# Altium PCB PCB1.PcbDoc
Units mm, origin at the board's own origin, x right, y up, seen from the top; angles counter-clockwise.
Board outline 110 x 110 mm, 2 copper layers (Top Layer, Bottom Layer); 82 components, 57 nets, 293 pads, 0 vias.
Unrouted connection lines stored in the file: 4.
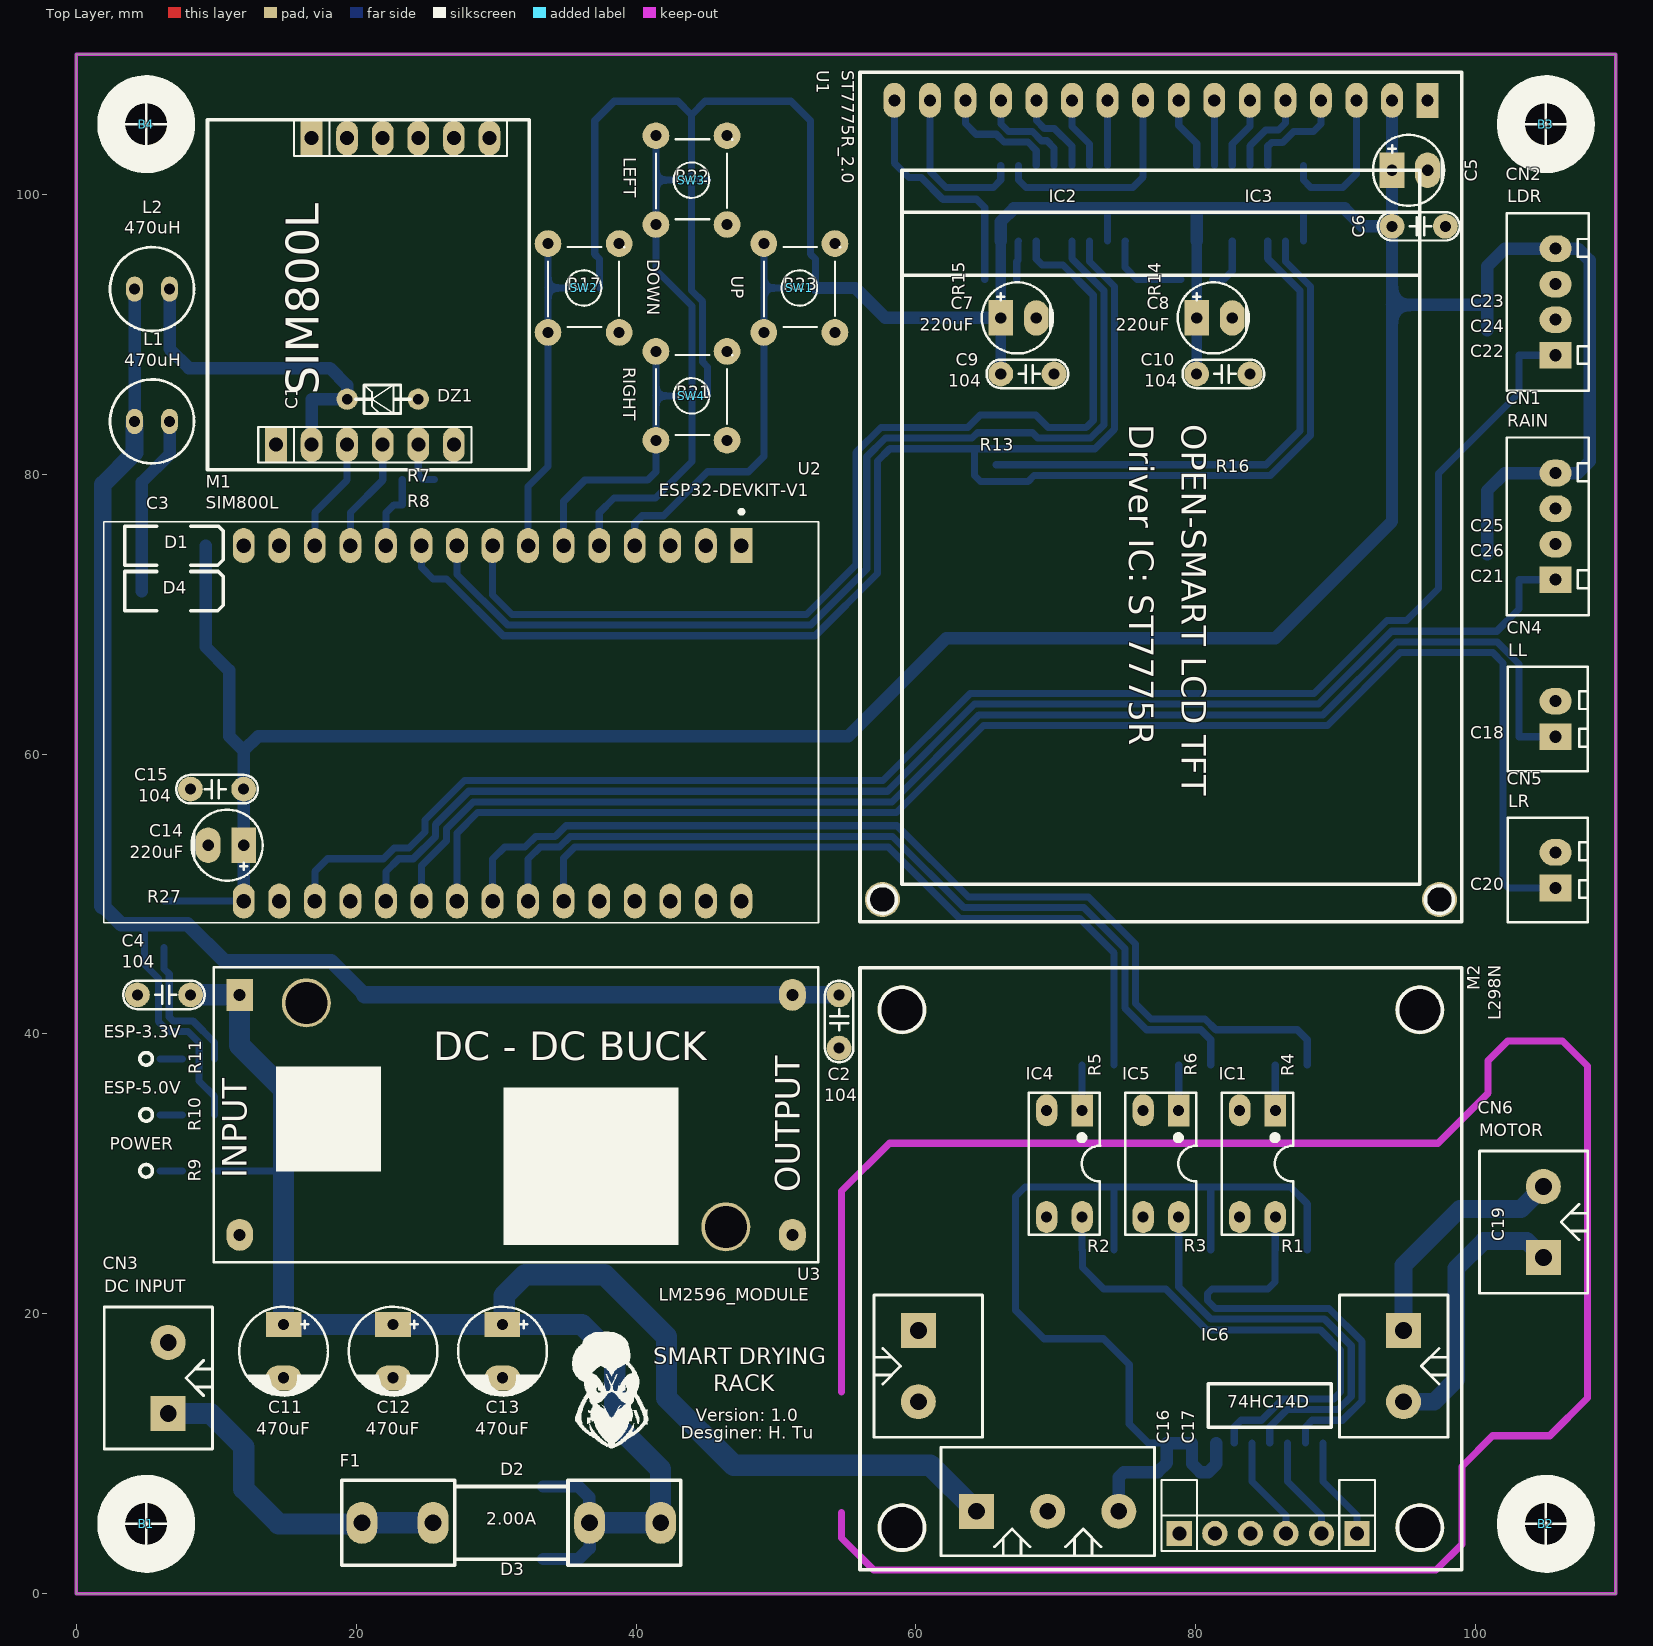
[diagram p0: Top Layer view]
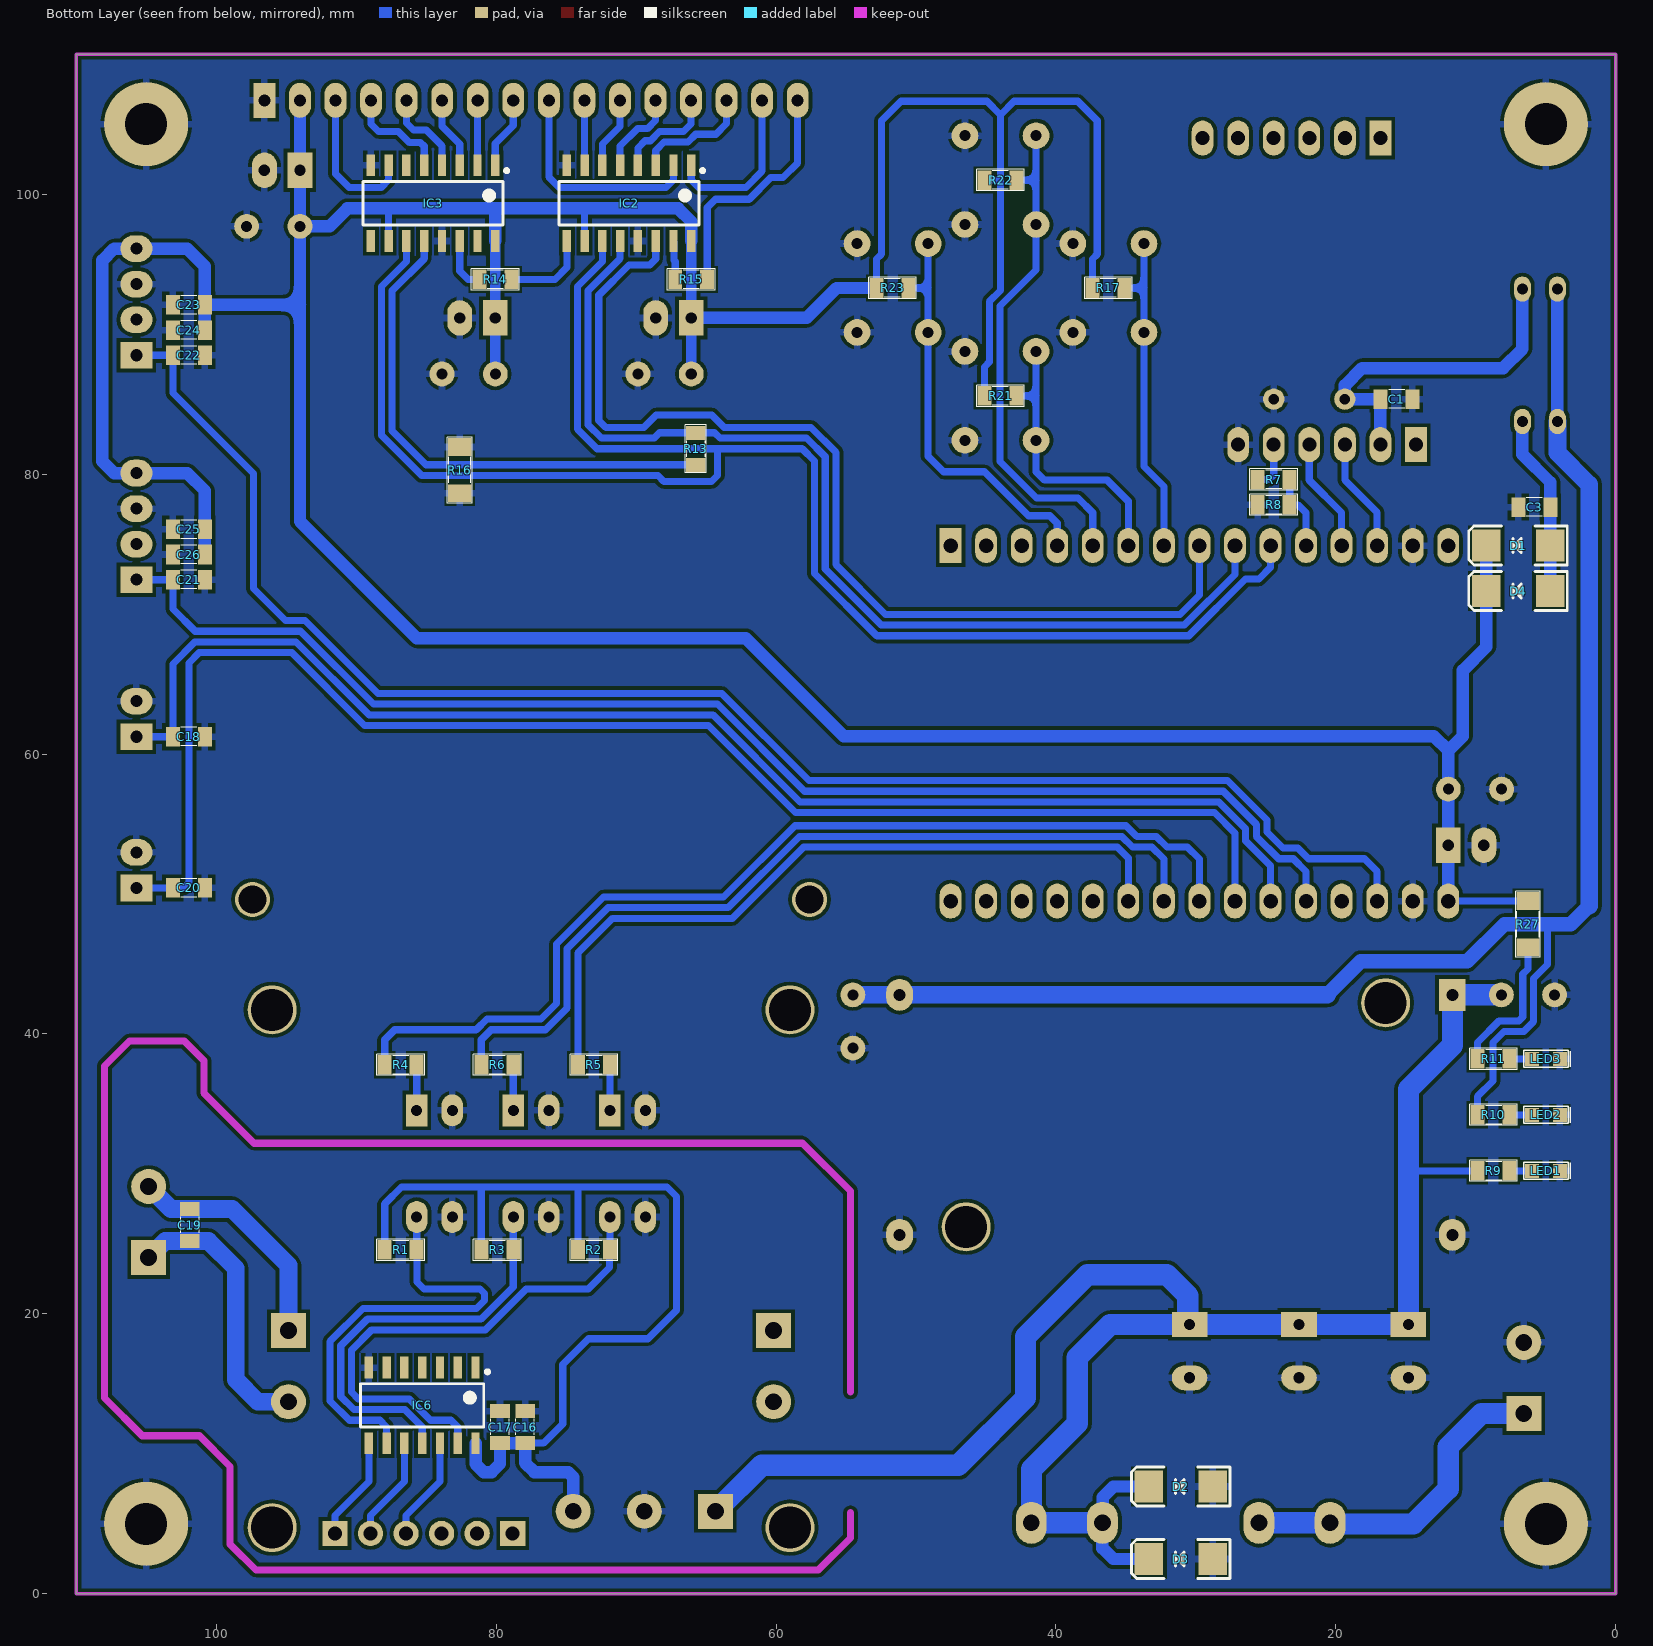
[diagram p1: Bottom Layer view, seen from below]

## Layer stack, top to bottom
Top Solder: solder mask 0.0102, Solder Resist, Dk 3.5
Top Layer: signal copper 0.0356
Dielectric 1: dielectric 0.32, FR-4, Dk 4.8
Bottom Layer: signal copper 0.0356
Bottom Solder: solder mask 0.0102, Solder Resist, Dk 3.5

## Board outline
0,0 0,110 110,110 110,0

## Design rules (kind name [scope] priority, off if disabled: settings)
Clearance [All] p1: gap=0.254 ignorepadtopadclearanceinfootprint=FALSE except(0: Arc-Hole Track-Hole SMDPad-Hole THPad-Hole Via-Hole Fill-Hole Poly-Hole Region-Hole Text-Hole)
PolygonConnect [All] p1: connectstyle=Relief reliefconductorwidth=0.508 reliefentries=4 polygonreliefangle="90 Angle" airgapwidth=0.254
RoutingVias [All] p1: holewidth=0.711 width=1.27 viastyle="Through Hole" minholewidth=0.711 minwidth=1.27 maxholewidth=0.711 maxwidth=1.27
SolderMaskExpansion [All] p1: expansion=0.102
Width [All] p1: maxlimit=1.524 minlimit=0.508 preferedwidth=0.889 toplayer_prefwidth=0.254 minimp=50.000000 maximp=50.000000 favimp=50.000000
30 further rules are at their usual default settings.

## Components (designator, comment, footprint, x,y, rotation, side; value= is the part's Value field where it differs from the comment)
B1 "Plated Hole" MTG300_600 5,5 r0 top
B2 "Plated Hole" MTG300_600 105,5 r0 top
B3 "Plated Hole" MTG300_600 105,105 r0 top
B4 "Plated Hole" MTG300_600 5,105 r0 top
C1 "106" CAP-SMD-0805 15.676,85.355 r0 bottom
C2 "104" Cap-Non-150mil 54.509,42.794 r270 top
C3 "106" CAP-SMD-0805 5.825,77.642 r180 bottom
C4 "104" Cap-Non-150mil 8.178,42.794 r180 top
C5 "220uF" Cap-P-2.5/5 94.012,101.706 r0 top
C6 "104" Cap-Non-150mil 97.822,97.706 r180 top
C7 "220uF" Cap-P-2.5/5 66.057,91.156 r0 top
C8 "220uF" Cap-P-2.5/5 80.057,91.156 r0 top
C9 "104" Cap-Non-150mil 69.867,87.156 r180 top
C10 "104" Cap-Non-150mil 83.867,87.156 r180 top
C11 "470uF" Cap-P-3.8/6.3 14.815,19.241 r270 top
C12 "470uF" Cap-P-3.8/6.3 22.635,19.241 r270 top
C13 "470uF" Cap-P-3.8/6.3 30.455,19.241 r270 top
C14 "220uF" Cap-P-2.5/5 11.968,53.492 r180 top
C15 "104" Cap-Non-150mil 8.158,57.492 r0 top
C16 "106" CAP-SMD-0805 77.919,11.905 r270 bottom
C17 "104" CAP-SMD-0805 79.719,11.905 r270 bottom
C18 "104" CAP-SMD-0805 101.951,61.235 r180 bottom
C19 "104" CAP-SMD-0805 101.878,26.349 r270 bottom
C20 "104" CAP-SMD-0805 101.951,50.431 r180 bottom
C21 "104" CAP-SMD-0805 101.951,72.455 r180 bottom
C22 "104" CAP-SMD-0805 101.951,88.491 r180 bottom
C23 "106" CAP-SMD-0805 101.951,92.091 r180 bottom
C24 "104" CAP-SMD-0805 101.951,90.291 r180 bottom
C25 "106" CAP-SMD-0805 101.951,76.055 r180 bottom
C26 "104" CAP-SMD-0805 101.951,74.255 r180 bottom
CN1 "RAIN" "Header 4P" 105.701,76.265 r90 top
CN2 "LDR" "Header 4P" 105.701,92.301 r90 top
CN3 "DC INPUT" KF2/5.08 6.57,15.42 r90 top
CN4 "LL" "Header 2P" 105.701,62.505 r90 top
CN5 "LR" "Header 2P" 105.701,51.701 r90 top
CN6 "MOTOR" KF2/5.08 104.827,26.56 r90 top
D1 "SS14" "SOD 106" 6.968,74.892 r180 bottom
D2 "SS14" "SOD 106" 31.075,7.664 r180 bottom
D3 "SS14" "SOD 106" 31.075,2.483 r180 bottom
D4 "SS14" "SOD 106" 6.968,71.642 r180 bottom
DZ1 "5.1V" Diode-Zenner-200mil 21.899,85.355 r0 top value=3v3
F1 "2.00A" Fuse-Dip1 31.1,5.073 r0 top
IC1 "FOD817DSD" DIP4 84.4,30.734 r180 top
IC2 "SN74HC595D" SOIC127P600X175-16N 70.502,99.356 r270 bottom
IC3 "SN74HC595D" SOIC127P600X175-16N 84.502,99.356 r270 bottom
IC4 "FOD817DSD" DIP4 70.604,30.734 r180 top
IC5 "FOD817DSD" DIP4 77.502,30.734 r180 top
IC6 "74HC14D" SOIC127P600X175-14N 85.279,13.462 r270 bottom
L1 "470uH" L-DIP-M-5.3 5.42,83.761 r0 top value="150 mH"
L2 "470uH" L-DIP-M-5.3 5.42,93.218 r0 top value="150 mH"
LED1 "POWER" LED-0805 4.994,30.221 r180 bottom
LED2 "ESP-5.0V" LED-0805 4.994,34.221 r180 bottom
LED3 "ESP-3.3V" LED-0805 4.994,38.221 r180 bottom
M1 "SIM800L" SIM800L_M 32.379,80.305 r90 top
M2 "L298N" L298N_MODULE 99.002,1.724 r90 top
R1 "1K" RES-SMD-0805 86.813,24.574 r0 bottom
R2 "1K" RES-SMD-0805 73.017,24.574 r0 bottom
R3 "1K" RES-SMD-0805 79.915,24.574 r0 bottom
R4 "1K" RES-SMD-0805 86.813,37.794 r0 bottom
R5 "1K" RES-SMD-0805 73.017,37.794 r0 bottom
R6 "1K" RES-SMD-0805 79.915,37.794 r0 bottom
R7 "1K" RES-SMD-0805 24.439,79.605 r0 bottom
R8 "1K" RES-SMD-0805 24.439,77.805 r180 bottom
R9 "1K" RES-SMD-0805 8.744,30.221 r0 bottom
R10 "1K" RES-SMD-0805 8.744,34.221 r0 bottom
R11 "1K" RES-SMD-0805 8.744,38.221 r0 bottom
R13 "0R" RES-SMD-0805 65.734,81.809 r90 bottom
R14 "0R" RES-SMD-0805 80.057,93.906 r180 bottom
R15 "0R" RES-SMD-0805 66.057,93.906 r180 bottom
R16 "0R" RES-SMD-1206 82.597,80.285 r270 bottom
R17 "1K" RES-SMD-0805 36.251,93.297 r180 bottom
R21 "1K" RES-SMD-0805 43.96,85.587 r180 bottom
R22 "1K" RES-SMD-0805 43.96,101.006 r180 bottom
R23 "1K" RES-SMD-0805 51.67,93.297 r180 bottom
R27 "0R" RES-SMD-1206 6.273,47.841 r90 bottom
SW1 "UP" Button-Dip4/6x6 51.67,93.297 r90 top value="Button chip 4 pin"
SW2 "DOWN" Button-Dip4/6x6 36.251,93.297 r90 top value="Button chip 4 pin"
SW3 "LEFT" Button-Dip4/6x6 43.96,101.006 r90 top value="Button chip 4 pin"
SW4 "RIGHT" Button-Dip4/6x6 43.96,85.587 r90 top value="Button chip 4 pin"
U1 "ST7775R_2.0" LCD_176X220_MODULE 96.002,101.706 r180 top
U2 "ESP32-DEVKIT-V1" MODULE_ESP32-DEVKITC-32D 27.768,62.192 r270 top
U3 "LM2596_MODULE" LM2596_MODULE 9.836,44.762 r0 top

## Footprints (in the part's own frame and the unit in brackets; to place one, negate y for a bottom-side part, rotate by r counter-clockwise, add the part's x,y. Pads: shape width x height; smd on the part's side, far side on the other; paste and mask are expansions set on the pad)
Button-Dip4/6x6 [mil] "SW button 4pin, 250 x250 mil"
  round 75 hole 31: 1(-125,100) 2(-125,-100) 3(125,-100) 4(125,100)
  silkscreen extent -110,-115 115,100, body extent -156,-122 156,122, height 276
Cap-Non-150mil [mil]
  round 70 hole 31: 1(0,0) 2(150,0)
  silkscreen extent -40,-40 190,40, body extent -40,-33 190,33, height 235
Cap-P-2.5/5 [mil] "Tu hoa < 22uF/16>50V"
  rect 70x100 hole 32: 1(0,0)
  oval 70x100 hole 32: 2(100,0)
  silkscreen extent -53,-100 147,100, body extent -49,-99 149,99, height 287
Cap-P-3.8/6.3 [mil] "Tu hoa 33 >100 uF,50V, 220uF/16V,25V ( it su dung )"
  rect 70x100 hole 32: 1(0,0)
  oval 70x100 hole 32: 2(150,0)
  silkscreen extent -50,-125 200,125, body extent -46,-121 202,127, height 434
CAP-SMD-0805 [mil]
  rect 39.37x55 smd: 1(-45,0) 2(45,0)
  silkscreen extent -23,-26 22,26, body extent -39,-25 39,25, height 30
Diode-Zenner-200mil [mil]
  round 60 hole 30: 1(100,0) 2(-100,0)
  silkscreen extent -76,-40 77,40, body extent -108,-32 108,32, height 71
DIP4 [mil]
  rect 60x90 hole 31: 1(-50,-150)
  oval 60x90 hole 31: 2(50,-150) 3(50,150) 4(-50,150)
  silkscreen extent -100,-200 100,200, body extent -109,-157 109,157, height 170
Fuse-Dip1 [mm]
  oval 2.2x3 hole 1.2: 1(-10.684,0) 1(-5.604,0) 2(5.579,0) 2(10.659,0)
  silkscreen extent -12.12,-3.05 12.09,3.05, body extent -10.84,-2.95 10.87,2.95, height 9.75
"Header 2P" [mil] "CON2"
  rect 75x90 hole 34: 1(-50,0)
  oval 75x90 hole 34: 2(50,0)
  silkscreen extent -147,-91 147,134, body extent -148,-90 148,134, height 277
"Header 4P" [mil] "CON4"
  rect 75x90 hole 34: 1(-150,0)
  oval 75x90 hole 34: 2(-50,0) 3(50,0) 4(150,0)
  silkscreen extent -250,-93 250,137, body extent -246,-90 246,134, height 277
KF2/5.08 [mm]
  rect 2.5x2.5 hole 1.2: 1(-2.54,0)
  round 2.5 hole 1.2: 2(2.54,0)
  silkscreen extent -5.08,-3.18 5.08,4.57, body extent -5.6,-3 5,4.6, height 10.1
L298N_MODULE [mm]
  rect 1.8x1.8 hole 1: 1(2.59,20.19) 6(2.59,7.49)
  round 1.8 hole 1: 2(2.59,17.65) 3(2.59,15.11) 4(2.59,12.57) 5(2.59,10.03)
  round 2.5 hole 1.2: 7(4.17,24.51) 8(4.17,29.59) 11(12,38.83) 12(12,4.17)
  rect 2.5x2.5 hole 1.2: 9(4.17,34.67) 10(17.08,38.83) 13(17.08,4.17)
  round 3.5 hole 3: ""(3,40) ""(3,3) ""(40,3) ""(40,40)
  silkscreen extent 0,0 43,43, body extent 0,0 43,43, height 27.1
L-DIP-M-5.3 [mm] "THT Inductor, 2-Leads, Body 5.3  mm"
  oval 1.2x1.8 hole 0.8: 1(-1.25,0) 2(1.25,0)
  silkscreen extent -3,-3 3,3, body extent -2.44,-2.44 2.44,2.45, height 7.6
LCD_176X220_MODULE [mm]
  rect 1.56x2.5 hole 0.864: 1(-0.55,-5)
  oval 1.56x2.5 hole 0.864: 2(1.99,-5) 3(4.53,-5) 4(7.07,-5) 5(9.61,-5) 6(12.15,-5) 7(14.69,-5) 8(17.23,-5) 9(19.77,-5) 10(22.31,-5) 11(24.85,-5) 12(27.39,-5) 13(29.93,-5) 14(32.47,-5) 15(35.01,-5) 16(37.55,-5)
  silkscreen extent -3,-7 40,53.7
LED-0805 [mm]
  rect 1x1 smd mask+0.05: 1(-1,0) 2(1,0)
  silkscreen extent -1.6,-0.61 1.75,0.61, body extent -1.03,-0.45 1.03,0.45, height 0.85
LM2596_MODULE [mil]
  rect 75x90 hole 34: 1(72.52,-77.48)
  oval 75x90 hole 34: 2(72.52,-752.52) 3(1627.48,-752.52) 4(1627.48,-77.48)
  round 137.8 hole 118.11: ""(260,-100) ""(1440,-730)
  silkscreen extent 0,-830 1700,0, body extent 0,-833 1700,3, height 526
MODULE_ESP32-DEVKITC-32D [mm]
  rect 2.5x1.56 hole 1.04: 1(-12.7,19.76)
  oval 2.5x1.56 hole 1.04: 2(-12.7,17.22) 3(-12.7,14.68) 4(-12.7,12.14) 5(-12.7,9.6) 6(-12.7,7.06) 7(-12.7,4.52) 8(-12.7,1.98) 9(-12.7,-0.56) 10(-12.7,-3.1) 11(-12.7,-5.64) 12(-12.7,-8.18) 13(-12.7,-10.72) 14(-12.7,-13.26) 15(-12.7,-15.8) 16(12.7,-15.8) 17(12.7,-13.26) 18(12.7,-10.72) 19(12.7,-8.18) 20(12.7,-5.64) 21(12.7,-3.1) 22(12.7,-0.56) 23(12.7,1.98) 24(12.7,4.52) 25(12.7,7.06) 26(12.7,9.6) 27(12.7,12.14) 28(12.7,14.68) 29(12.7,17.22) 30(12.7,19.76)
  silkscreen extent -15.25,-25.81 14.25,25.27, body extent -14.33,-25.73 14.17,25.2, height 10.16
MTG300_600 [mm] "Plated Through Hole: Hole Dia.=3.0mm Pad Dia.=6.0mm"
  round 6 hole 3: 1(0,0)
RES-SMD-0805 [mil]
  rect 39.37x55 smd mask+1.97: 1(-45,0) 2(45,0)
  silkscreen extent -67,-30 67,30, body extent -45,-27 45,27, height 30
RES-SMD-1206 [mil]
  rect 50x65 smd: 1(-65,0) 2(65,0)
  silkscreen extent -93,-35 93,35, body extent -63,-31 63,31, height 24
SIM800L_M [mm]
  rect 2.5x1.56 hole 1: 1(1.8,18.1) 12(23.7,15.56)
  oval 2.5x1.56 hole 1: 2(1.8,15.56) 3(1.8,13.02) 4(1.8,10.48) 5(1.8,7.94) 6(1.8,5.4) 7(23.7,2.86) 8(23.7,5.4) 9(23.7,7.94) 10(23.7,10.48) 11(23.7,13.02)
  silkscreen extent 0,0 25.02,23, body extent 0,0 25.02,23, height 3.38
"SOD 106" [mil]
  rect 80x90.55 smd: 1(90,0) 2(-90,0)
  silkscreen extent -139,-55 138,55, body extent -98,-51 98,51, height 79
SOIC127P600X175-14N [mm] "SOIC 14, Pitch 1.27mm - Body 4x8.75mm, IPC Medium Density"
  rect 1.55x0.6 smd: 1(-2.7,3.81) 2(-2.7,2.54) 3(-2.7,1.27) 4(-2.7,0) 5(-2.7,-1.27) 6(-2.7,-2.54) 7(-2.7,-3.81) 8(2.7,-3.81) 9(2.7,-2.54) 10(2.7,-1.27) 11(2.7,0) 12(2.7,1.27) 13(2.7,2.54) 14(2.7,3.81)
  silkscreen extent -2.52,-4.4 1.55,4.78, body extent -3.1,-4.37 3.1,4.38, height 1.75
SOIC127P600X175-16N [mm] "SOIC 16, Pitch 1.27mm - Body 4x10mm, IPC Medium Density"
  rect 1.55x0.6 smd: 1(-2.7,4.445) 2(-2.7,3.175) 3(-2.7,1.905) 4(-2.7,0.635) 5(-2.7,-0.635) 6(-2.7,-1.905) 7(-2.7,-3.175) 8(-2.7,-4.445) 9(2.7,-4.445) 10(2.7,-3.175) 11(2.7,-1.905) 12(2.7,-0.635) 13(2.7,0.635) 14(2.7,1.905) 15(2.7,3.175) 16(2.7,4.445)
  silkscreen extent -2.45,-5 1.55,5.37, body extent -3.1,-5 3.1,5, height 1.75

## Part data
B1 B2 B3 B4: library part PLATED_HOLE3.0_PAD6.0, "Single Terminal Socket", Author="CERN DEM JLC", ComponentHeight=0mm, Component Type="Standard (No BOM)", CreateDate=5/26/2008, Family="Plated Hole", HelpURL=Undefined, LatestRevisionDate=5/26/2008, Mounted=No, PackageDescription="Plated Through Hole: Hole Dia.=3.0mm Pad Dia.=6.0mm", Part Description="Plated Through Hole: Hole Dia.=3.0mm Pad Dia.=6.0mm", Part Number=PLATED_HOLE3.0_PAD6.0, Pin Count=1, Sense=No, SMD=No, Socket=No, Status=None
C1 C3 C16 C17 C18 C20 C21 C22 C23 C24 C25 C26: library part Cap-Non-SMD, "Non-polar capacitor"
C2 C4 C6 C9 C10 C15 C19: library part Cap-Non-Dip, "Non-polar capacitor"
C5 C7 C8 C11 C12 C13 C14: library part Cap-Pol-Dip, "Polarized capacitor"
CN1 CN2: library part "Header 4"
CN3 CN6: library part "KF 2"
CN4 CN5: library part "Header 2"
D1 D2 D3 D4: library part "Diode SMD", "Diode SMD"
DZ1: library part "Diode Zenner", "Diode Zenner"
F1: library part "Fuse Dip"
IC1 IC4 IC5: "Single Optocoupler", Case=SOIC4, Manufacturer="FAIRCHILD SEMICONDUCTOR", Author="CERN DEM JLC", Bonding=No, ComponentHeight=4.6mm, Component Type=Standard, CreateDate=7/21/2014, Device=FOD817DSD, HelpURL=\\cern.ch\dfs\Applications\Altium\Datasheets\FOD817DSD.pdf, LatestRevisionDate=7/21/2014, Manufacturer Part Number=FOD817DSD, Mounted=Yes, PackageDescription="SOIC, 2.54mm Pitch, 4 Pin, Body 6.5mm W X 4.6mm L X 4.6mm H", Part Description="4-Pin High Operating Temperature Phototransistor Optocoupler", Part Number=FOD817DSD, Pin Count=4, PressFit=No, Sense=No, SMD=Yes, Socket=No
IC2 IC3: "8-Bit Shift Register With 3-State Output Register", Case=SOIC16, Manufacturer="TEXAS INSTRUMENTS", Author="CERN DEM JLC", Bonding=No, ComponentHeight=1.75mm, Component Type=Standard, CreateDate=6/5/2012, Device=SN74HC595D, HelpURL=\\cern.ch\dfs\Applications\Altium\Datasheets\SN74HC595D.pdf, LatestRevisionDate=6/5/2012, Manufacturer Part Number=SN74HC595D, Mounted=Yes, PackageDescription="SOIC 16, Pitch 1.27mm - Body 4x10mm, IPC Medium Density", Part Description="8-Bit Shift Register With 3-State Output Registers", Part Number=SN74HC595D, Pin Count=16, PressFit=No, Sense=No, SMD=Yes, Socket=No
IC6: "Hex Schmitt-Trigger Inverter", Case=SOIC14, Manufacturer="NXP SEMICONDUCTORS", Author="CERN DEM JLC", Bonding=No, ComponentHeight=1.75mm, Component Type=Standard, CreateDate=8/26/2014, Device=74HC14D, HelpURL=\\cern.ch\dfs\Applications\Altium\Datasheets\74HC14D.pdf, LatestRevisionDate=8/26/2014, Manufacturer Part Number=74HC14D, Mounted=Yes, PackageDescription="SOIC 14, Pitch 1.27mm - Body 4x8.75mm, IPC Medium Density", Part Description="Hex  Inverterting Schmitt-Trigger", Part Number=74HC14D, Pin Count=14, PressFit=No, Sense=No, SMD=Yes, Socket=No
L1 L2: library part IND-DIP-1, "Inductor"
LED1 LED2 LED3: library part LED_SMD
R1 R2 R3 R4 R5 R6 R7 R8 R9 R10 R11 R17 R21 R22 R23 R27: library part "Res 1/4W", "Resistor 1/4W"
R13 R14 R15 R16: library part "Res SMD", "Resistor SMD"
SW1 SW2 SW3 SW4: library part Button-4, "Switch button 4 pin"
U1: library part LCD_176x220_ST7775R, ComponentLink1Description=Wiki, ComponentLink1URL=http://www.lcdwiki.com/2.8inch_SPI_Module_ILI9341_SKU:MSP2807
U2: "- Transceiver; 802.11 b/g/n _Wi-Fi, WiFi, WLAN_, Bluetooth® Smart Ready 4.x Dual Mode For Use With ESP-WROOM-32", Package=None, Availability=Unavailable, MF="Espressif Systems", MP=ESP32-DEVKITC-32D, Price=None, SnapEDA_Link=https://www.snapeda.com/parts/ESP32-DEVKITC-32D/Espressif%20Systems/view-part/2777395/?ref=snap
U3: ComponentLink1Description=DATASHEET, ComponentLink1URL=http://tpelectronic.ir/datasheets/20150123144301750.pdf

## Free pads (board coordinates)
  round 2.5 hole 2: 2(57.602,49.606) 2(97.402,49.606)

## Nets (pads, with @x,y where several pads share a name; then routed paths per layer and width w, separated by ;. In a path a pad name is that pad's centre, name@x,y a point inside that pad or via, vN(x,y) a via of type N, cw(c..) or ccw(c..) an arc to the next point about the centre after c; other vN are vias at no path point)
+3.3V: C5.1 C6.2 C7.1 C8.1 C9.2 C10.2 C14.1 C15.2 C23.2 C24.2 C25.2 C26.2 CN1.4 CN2.4 D1.2 D4.2 IC2.10 IC2.16 IC3.10 IC3.16 R11.2 R17.1 R21.1 R22.1 R23.1 R27.1 R27.2 U1.2 U2.16 | length 341.7
  Bottom Layer w0.508: R27.1 6.273,44.651 6.65,44.273 6.65,41.214 6.926,40.938 8.326,40.938 9.887,39.377 R11.2 ; R27.2 U2.16 ; R17.1 37.394,95.368 37.049,95.712 37.049,105.248 38.438,106.637 42.987,106.637 43.96,105.664 ; R21.1 45.103,87.658 44.759,88.002 44.759,92.327 43.96,93.126 43.96,101.006 ; R22.1 43.96,101.006 ; R23.1 52.813,95.368 52.469,95.712 52.469,105.248 51.08,106.637 44.933,106.637 43.96,105.664 ; IC2.10 73.677,98.98 ; IC3.10 87.677,98.98 ; 43.96,101.006 43.96,105.664
  Bottom Layer w0.762: C9.2 C7.1 IC2.16 ; C10.2 C8.1 IC3.16
  Bottom Layer w0.889: D1.2 D4.2 9.254,67.653 10.928,65.979 10.928,61.277 11.968,60.237 ; U2.16 C14.1 C15.2 11.968,60.237 ; R23.1 55.666,93.297 57.807,91.156 C7.1 ; IC2.16 66.057,98.045 66.992,98.98 73.677,98.98 80.057,98.98 ; IC3.16 80.057,98.98 ; U1.2 C5.1 C6.2 ; C26.2 C25.2 100.808,78.811 102.072,80.075 CN1.4 107.294,80.075 108.132,80.913 108.132,95.273 107.294,96.111 CN2.4 102.072,96.111 100.808,94.848 C23.2 ; C24.2 C23.2 ; 11.968,60.237 13.009,61.277 55.173,61.277 62.158,68.262 85.653,68.262 94.012,76.621 94.012,92.091 ; 80.057,98.98 87.677,98.98 90.623,98.98 91.897,97.706 C6.2 ; 94.012,92.091 C6.2 ; 94.012,92.091 C23.2
+5V: C16.2 C17.2 IC6.14 M2.7 R1.2 R2.2 R3.2 | length 73.9
  Bottom Layer w0.508: R2.2 74.16,29.062 ; C16.2 76.606,10.762 75.239,12.128 75.239,16.391 73.405,18.224 69.143,18.224 67.111,20.256 67.111,28.384 67.789,29.062 74.16,29.062 ; R3.2 81.058,29.062 ; R1.2 87.956,27.863 86.756,29.062 81.058,29.062 ; 74.16,29.062 81.058,29.062
  Bottom Layer w0.889: M2.7 74.492,8.333 74.858,8.699 77.271,8.699 77.919,9.347 C16.2 C17.2 79.719,9.291 80.311,8.699 80.892,8.699 81.469,9.276 IC6.14
+12V: C4.1 C11.1 C12.1 C13.1 D2.2 D3.2 F1.2 M2.9 R9.2 U3.1 | length 133.1
  Bottom Layer w0.508: R9.2@9.877,30.221 14.805,30.221
  Bottom Layer w0.889: D2.2@33.351,7.664 35.89,7.664 36.669,6.886 F1.2@36.669,5.073 ; D3.2@33.361,2.485 35.9,2.485 36.679,3.264 F1.2@36.679,5.073
  Bottom Layer w1.524: C4.1@8.168,42.794 11.668,42.794 11.668,39.187 14.805,36.05 14.805,30.221 14.805,19.241 22.625,19.241 C13.1@30.445,19.241 ; F1.2@36.669,5.073 36.679,5.073 41.749,5.073 41.749,8.892 38.473,12.168 38.473,16.882 36.113,19.241 C13.1@30.445,19.241 ; M2.9@64.322,5.894 61.024,9.192 46.973,9.192 42.173,13.992 42.173,18.362 37.743,22.792 32.073,22.792 30.573,21.292 30.573,19.368 C13.1@30.445,19.241
AO_LDR: C22.1 CN2.1 U2.18 | length 112.9
  Bottom Layer w0.508: U2.18 17.048,51.601 17.962,52.514 21.964,52.514 22.726,53.276 23.767,53.276 24.922,54.432 24.922,55.292 27.733,58.102 57.651,58.102 63.874,64.325 88.447,64.325 93.654,69.532 95.051,69.532 97.337,71.818 97.337,80.038 103.094,85.795 C22.1 CN2.1
AO_RAIN: C21.1 CN1.1 U2.20 | length 96
  Bottom Layer w0.508: U2.20 22.128,51.601 23.042,52.514 24.083,52.514 25.684,54.116 25.684,54.976 28.048,57.34 57.967,57.34 64.19,63.563 88.763,63.563 93.97,68.77 101.497,68.77 103.094,70.368 C21.1 CN1.1
BD: R17.2 SW2.1 SW2.4 U2.7 | length 23.6
  Bottom Layer w0.508: U2.7 32.288,79.117 33.711,80.539 SW2.1 SW2.4 ; 33.711,93.297 R17.2
BL: R22.2 SW3.1 SW3.4 U2.5 | length 36.2
  Bottom Layer w0.508: U2.5 37.368,77.236 38.428,78.295 41.388,78.295 43.997,80.905 43.997,92.011 41.42,94.588 41.42,101.006 ; SW3.4 41.42,101.006 ; R22.2 41.42,101.006
BR: R21.2 SW4.1 SW4.4 U2.6 | length 20.6
  Bottom Layer w0.508: U2.6 34.828,78.057 36.337,79.565 40.822,79.565 41.42,80.164 SW4.1 41.42,85.587 ; SW4.4 41.42,85.587 ; R21.2 41.42,85.587
BU: R23.2 SW1.1 SW1.4 U2.4 | length 29.4
  Bottom Layer w0.508: U2.4 39.908,76.493 40.441,77.025 41.965,77.025 45.103,80.164 48.024,80.164 49.13,81.269 SW1.1 49.13,93.297 ; SW1.4 49.13,93.297 ; R23.2 49.13,93.297
BUCK: C2.1 L1.1 L2.1 R10.2 U3.4 | length 116.8
  Bottom Layer w0.508: 4.87,47.841 4.87,44.964 5.876,43.958 5.876,40.876 6.576,40.176 7.991,40.176 8.776,39.392 8.776,36.642 9.874,35.543 R10.2@9.874,34.221
  Bottom Layer w0.889: L1.1 L2.1
  Bottom Layer w1.016: 1.897,49.164 3.221,47.841 4.87,47.841 7.958,47.841 10.607,45.192 18.217,45.192 20.614,42.794
  Bottom Layer w1.27: 1.897,49.164 1.897,79.249 4.17,81.522 L1.1 ; 20.614,42.794 U3.4 C2.1
DO_LDR: CN2.2
DO_RAIN: CN1.2
GND: B1.1 B2.1 B3.1 B4.1 C1.1 C2.2 C3.1 C4.2 C5.2 C6.1 C7.2 C8.2 C9.1 C10.1 C11.2 C12.2 C13.2 C14.2 C15.1 C16.1 C17.1 C18.2 C20.2 C21.2 C22.2 C23.1 C24.1 C25.1 C26.1 CN1.3 CN2.3 CN3.2 CN4.2 CN5.2 D2.1 D3.1 DZ1.1 IC1.2 IC1.3 IC2.8 IC2.13 IC3.8 IC3.13 IC4.2 IC4.3 IC5.2 IC5.3 IC6.7 LED1.2 LED2.2 LED3.2 M1.6 M2.8 R8.1 R16.1 R16.2 SW1.2 SW1.3 SW2.2 SW2.3 SW3.2 SW3.3 SW4.2 SW4.3 U1.1 U2.14 U2.17 U3.2 U3.3
LCD_CS: IC3.7 U1.3 | length 10.7
  Bottom Layer w0.508: IC3.7 87.677,101.002 88.2,100.479 90.492,100.479 91.472,101.458 U1.3
LCD_DB0: IC2.2 U1.9 | length 16
  Bottom Layer w0.508: IC2.2 67.327,101.002 67.85,100.479 75.492,100.479 76.232,101.218 U1.9
LCD_DB1: IC2.7 U1.10 | length 4.7
  Bottom Layer w0.508: IC2.7 73.677,106.691 U1.10
LCD_DB2: IC2.6 U1.11 | length 5.2
  Bottom Layer w0.508: U1.11 71.152,104.84 72.407,103.585 IC2.6
LCD_DB3: IC2.5 U1.12 | length 6.1
  Bottom Layer w0.508: U1.12 68.612,105.26 69.192,104.68 69.892,104.68 71.137,103.435 IC2.5
LCD_DB4: IC2.4 U1.13 | length 7.4
  Bottom Layer w0.508: U1.13 66.072,105.02 66.611,104.48 68.314,104.48 68.976,103.818 69.354,103.818 69.867,103.305 IC2.4
LCD_DB5: IC2.3 U1.14 | length 8.6
  Bottom Layer w0.508: U1.14 63.532,105.04 64.292,104.28 65.734,104.28 66.296,103.718 67.998,103.718 68.597,103.12 IC2.3
LCD_DB6: IC2.1 U1.15 | length 11.9
  Bottom Layer w0.508: U1.15 60.992,101.642 62.155,100.479 65.533,100.479 66.057,101.002 IC2.1
LCD_DB7: IC2.15 R15.1 R15.2 U1.16 | length 20.2
  Bottom Layer w0.508: U1.16 58.452,102.22 59.492,101.18 60.376,101.18 61.917,99.638 64.332,99.638 64.914,99.057 R15.2 ; R15.1 67.2,95.186 67.292,95.279 67.292,96.621 IC2.15
LCD_EXT: IC2.9 IC3.14 R14.1 R14.2 | length 10
  Bottom Layer w0.508: IC2.9@74.954,96.649 IC2.9 74.947,94.751 75.792,93.906 R14.2 ; R14.1 81.992,93.906 82.597,94.51 IC3.14
LCD_LED: IC3.1 U1.8 | length 5.2
  Bottom Layer w0.508: U1.8 78.772,104.9 80.057,103.615 IC3.1
LCD_RD: IC3.3 U1.6 | length 5.2
  Bottom Layer w0.508: IC3.3 82.597,103.585 83.852,104.84 U1.6
LCD_RS: IC3.5 U1.4 | length 7.5
  Bottom Layer w0.508: IC3.5 85.137,103.425 85.392,103.68 86.192,103.68 86.992,104.48 88.392,104.48 88.932,105.02 U1.4
LCD_RST: IC3.2 U1.7 | length 4.7
  Bottom Layer w0.508: U1.7 81.327,106.691 IC3.2
LCD_WR: IC3.4 U1.5 | length 6.2
  Bottom Layer w0.508: IC3.4 83.867,103.455 84.992,104.58 85.892,104.58 86.392,105.08 U1.5
LL: C18.1 CN4.1 U2.21 | length 96.5
  Bottom Layer w0.508: U2.21 24.668,52.023 26.446,53.801 26.446,54.661 28.364,56.578 58.283,56.578 64.506,62.801 89.078,62.801 94.285,68.008 101.528,68.008 103.094,66.442 C18.1 CN4.1
LR: C20.1 CN5.1 U2.22 | length 104.8
  Bottom Layer w0.508: U2.22 27.208,54.345 28.68,55.816 58.598,55.816 64.821,62.039 89.394,62.039 94.601,67.246 101.212,67.246 101.951,66.508 101.951,50.821 102.341,50.431 C20.1 CN5.1
MEN: R4.2 U2.23 | length 72.7
  Bottom Layer w0.508: U2.23 29.748,52.49 30.612,53.354 32.075,53.354 32.837,54.116 34.222,54.116 34.984,54.878 58.648,54.878 63.678,49.847 ; 63.754,49.784 72.316,49.784 75.684,46.417 75.684,42.164 76.788,41.059 80.66,41.059 81.422,40.297 87.242,40.297 87.956,39.584 R4.2
MIN: R6.2 U2.24 | length 62.7
  Bottom Layer w0.508: U2.24 32.288,52.49 33.152,53.354 34.537,53.354 35.299,54.116 58.332,54.116 63.426,49.022 72.001,49.022 74.922,46.101 74.922,41.848 76.472,40.297 80.344,40.297 81.058,39.584 R6.2
MIP: R5.2 U2.25 | length 53.9
  Bottom Layer w0.508: U2.25 34.828,52.567 35.615,53.354 58.017,53.354 63.111,48.26 71.685,48.26 74.16,45.785 R5.2
MN: C19.1 CN6.2 M2.13 | length 17
  Bottom Layer w1.27: M2.13 94.832,23.466 98.858,27.493 C19.1 103.22,27.493 CN6.2
MP: C19.2 CN6.1 M2.12 | length 19.9
  Bottom Layer w1.27: M2.12 97.028,13.724 98.607,15.303 98.607,23.258 100.556,25.207 C19.2 103.64,25.207 CN6.1
NetCN3_1: CN3.1 F1.1 | length 24
  Bottom Layer w1.524: CN3.1 9.594,12.88 11.982,10.492 11.982,7.492 14.482,4.992 20.334,4.992 20.416,5.073 F1.1@25.496,5.073
NetIC1_1: IC1.1 R4.1 | length 3.3
  Bottom Layer w0.508: IC1.1 R4.1
NetIC1_4: IC1.4 IC6.9 R1.1 | length 32.8
  Bottom Layer w0.508: IC1.4 R1.1 85.653,24.557 85.653,22.288 85.145,21.78 81.146,21.78 80.827,21.461 80.827,20.953 81.397,20.383 89.517,20.383 91.862,18.038 91.862,13.784 90.478,12.4 88.3,12.4 87.819,11.919 IC6.9
NetIC4_1: IC4.1 R5.1 | length 3.3
  Bottom Layer w0.508: IC4.1 R5.1
NetIC4_4: IC4.4 IC6.13 R2.1 | length 37.3
  Bottom Layer w0.508: R2.1 IC4.4 ; R2.1@71.89,24.557 71.89,23.304 73.414,21.78 77.844,21.78 80.765,18.859 88.885,18.859 90.338,17.407 90.338,14.416 89.846,13.924 86.206,13.924 84.682,12.4 83.22,12.4 82.739,11.919 IC6.13
NetIC5_1: IC5.1 R6.1 | length 3.3
  Bottom Layer w0.508: IC5.1 R6.1
NetIC5_4: IC5.4 IC6.11 R3.1 | length 30.6
  Bottom Layer w0.508: IC5.4 R3.1 78.772,21.931 81.081,19.621 89.201,19.621 91.1,17.722 91.1,14.1 90.162,13.162 86.522,13.162 85.279,11.919 IC6.11
NetIC6_8: IC6.8 M2.6 | length 7.5
  Bottom Layer w0.508: IC6.8 89.089,8.015 91.512,5.592 M2.6
NetIC6_10: IC6.10 M2.5 | length 7.5
  Bottom Layer w0.508: IC6.10 86.549,8.015 88.972,5.592 M2.5
NetIC6_12: IC6.12 M2.4 | length 7.5
  Bottom Layer w0.508: IC6.12 84.009,8.015 86.432,5.592 M2.4
NetLED1_1: LED1.1 R9.1 | length 1.6
  Bottom Layer w0.508: LED1.1 R9.1
NetLED2_1: LED2.1 R10.1 | length 1.6
  Bottom Layer w0.508: LED2.1 R10.1
NetLED3_1: LED3.1 R11.1 | length 1.6
  Bottom Layer w0.508: LED3.1 R11.1
NetM1_5: M1.5 R7.2 | length 3.4
  Bottom Layer w0.508: M1.5 24.439,79.946 24.78,79.605 R7.2
RCLK: IC2.12 IC3.12 R13.1 R13.2 U2.9 | length 112
  Bottom Layer w0.508: U2.9 27.208,72.83 30.83,69.209 52.483,69.209 56.485,73.211 56.485,81.24 57.816,82.571 64.014,82.571 64.395,82.952 R13.2 68.319,82.952 68.7,82.571 72.476,82.571 73.43,83.524 73.43,93.097 71.137,95.39 IC2.12 ; R13.1 85.001,80.666 87.43,83.094 87.43,93.097 85.137,95.39 IC3.12
SER: IC2.14 U2.8 | length 73.6
  Bottom Layer w0.508: U2.8 29.748,71.368 31.145,69.971 32.288,69.971 52.167,69.971 55.723,73.527 55.723,81.556 57.5,83.333 63.698,83.333 64.587,84.222 68.556,84.222 69.445,83.333 72.16,83.333 72.668,83.84 72.668,92.781 70.507,94.942 69.025,94.942 68.597,95.37 IC2.14
SIM_RST: M1.3 U2.13 | length 8.2
  Bottom Layer w0.508: U2.13 17.048,77.255 19.359,79.565 M1.3
SIM_RXD: M1.4 U2.12 | length 8.2
  Bottom Layer w0.508: U2.12 19.588,77.255 21.899,79.565 M1.4
SIM_TXD: R7.1 R8.2 U2.11 | length 5.5
  Bottom Layer w0.508: U2.11 22.128,77.236 22.698,77.805 R8.2 R7.1
SRCLK: IC2.11 IC3.11 U2.10 | length 120.2
  Bottom Layer w0.508: U2.10 24.668,73.34 25.494,72.515 26.446,72.515 30.514,68.447 32.288,68.447 52.799,68.447 57.247,72.896 57.247,80.924 58.132,81.809 64.192,81.809 ; IC2.11 72.407,95.198 74.192,93.413 74.192,83.209 72.792,81.809 64.192,81.809 ; IC3.11 86.407,95.198 88.192,93.413 88.192,82.779 85.317,79.904 68.44,79.904 68.015,79.479 64.617,79.479 64.192,79.904 64.192,81.809
V_ESPU: C3.2 D1.1 D4.1 L1.2 | length 12.9
  Bottom Layer w0.889: D4.1 D1.1 C3.2 4.682,79.419 6.67,81.407 L1.2
VSIM: C1.2 DZ1.2 L2.2 M1.2 | length 24.8
  Bottom Layer w0.889: L2.2 6.67,88.952 8.056,87.566 18.127,87.566 19.359,86.335 DZ1.2 C1.2 M1.2
pads on no net: IC3.6 IC3.9 IC3.15 IC6.1 IC6.2 IC6.3 IC6.4 IC6.5 IC6.6 M1.1 M1.7 M1.8 M1.9 M1.10 M1.11 M1.12 M2. M2.1 M2.2 M2.3 M2.10 M2.11 U2.1 U2.2 U2.3 U2.15 U2.19 U2.26 U2.27 U2.28 U2.29 U2.30 U3.

## Polygon pours and split planes (outlines as drawn)
GND on Bottom Layer "GLOBAL_GND" (solid, remove dead copper, pour order 0): 0,110 0,0 110,0 110,110

## Keep-outs
Keep-Out Layer:
  lines w0.254: 0,0 0,110 110,110 110,0 0,0
  lines w0.508: 54.682,5.792 54.682,3.992 56.982,1.692 97.15,1.692 99.002,3.544 99.002,9.092 101.202,11.292 105.282,11.292 107.982,13.992 107.982,37.711 106.202,39.492 102.282,39.492 100.882,38.092 100.882,35.776 97.299,32.192 58.099,32.192 54.682,28.776 54.682,14.415

## Silkscreen, mask and mechanical layers (free items; w line width, h text height)
Top Overlay:
  drawing of 36 lines, arcs and shapes, not listed
  text "SMART DRYING" at 41.226,16.016 h2
  text "RACK" at 45.531,14.068 h2
  text "Version: 1.0" at 44.276,12.028 h1.5
  text "Desginer: H. Tu" at 43.186,10.787 h1.5

## Text inside footprints (layer, text, board x,y; h text height)
U1: Top Overlay "Driver IC: ST7775R" at 74.651,83.57 h3 r270; Top Overlay "OPEN-SMART LCD TFT" at 78.406,83.57 h3 r270
U3: Top Overlay "DC - DC BUCK" at 25.516,37.43 h3.5; Top Overlay "INPUT" at 12.766,29.68 h3 r90; Top Overlay "OUTPUT" at 52.266,28.68 h3 r90